# Altium PCB pin board.PcbDoc
Units mm, origin at the board's own origin, x right, y up, seen from the top; angles counter-clockwise.
Board outline 88.13 x 102.89 mm, 2 copper layers (Top Layer, Bottom Layer); 68 components, 65 nets, 304 pads, 184 vias.
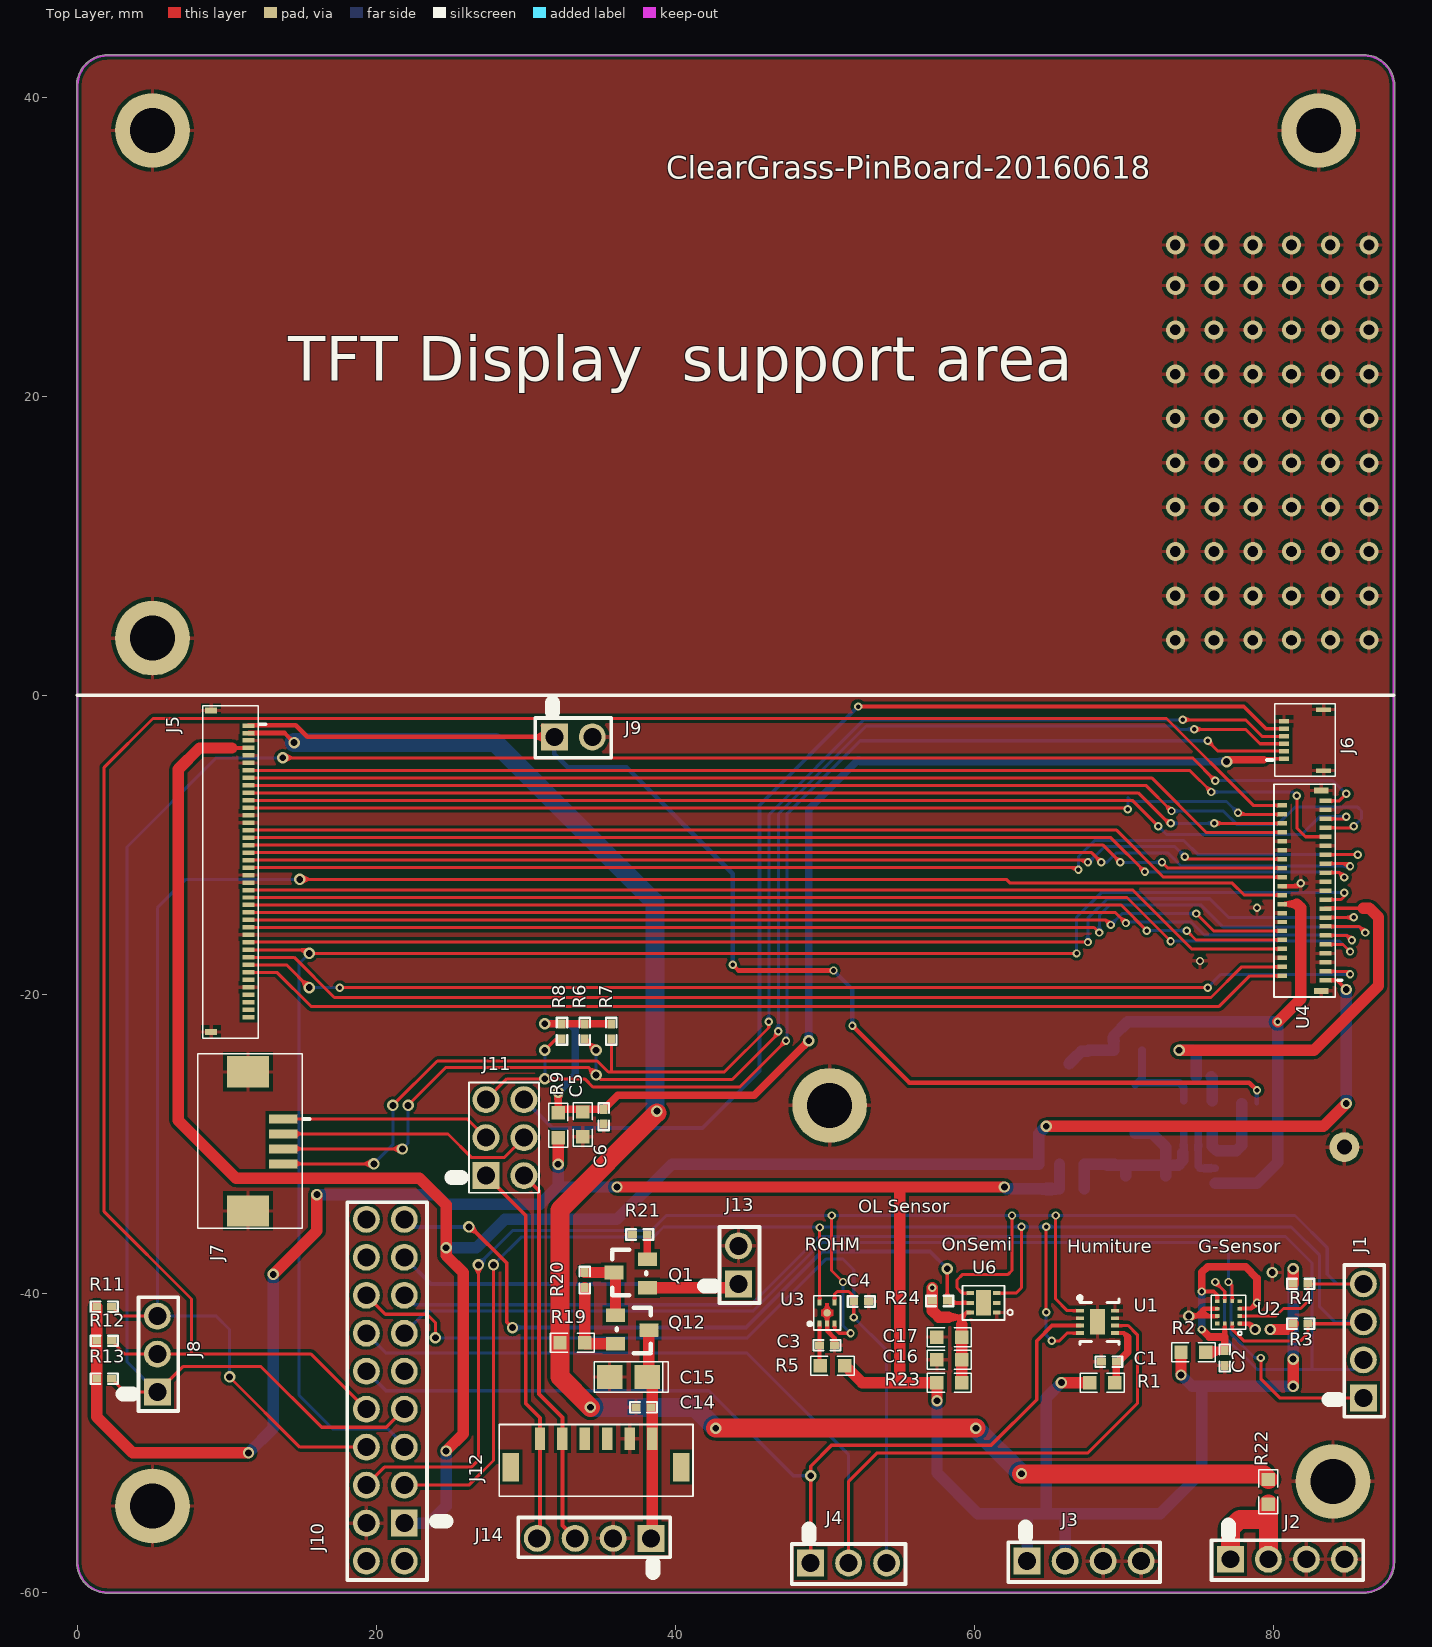
[diagram p0: Top Layer view]
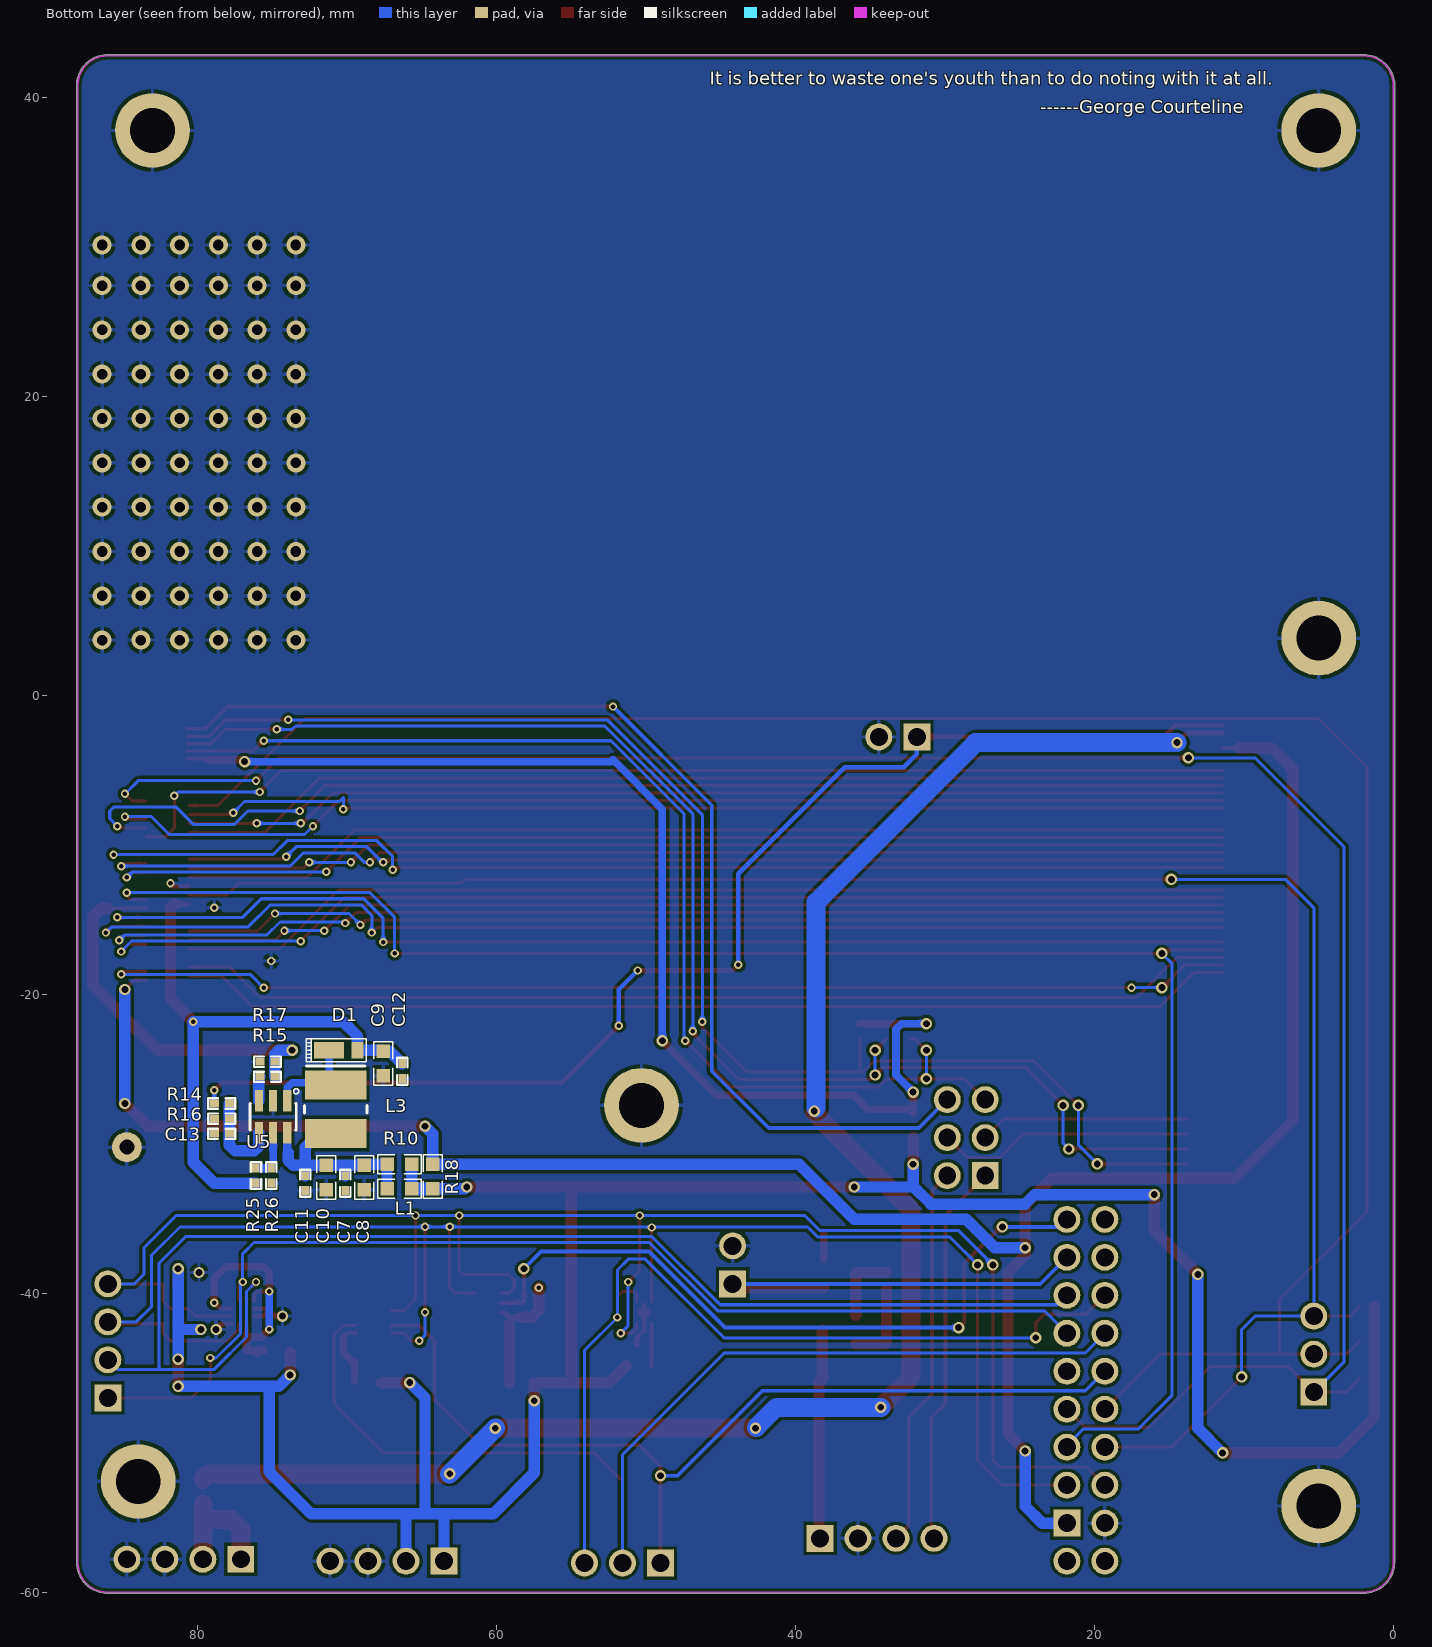
[diagram p1: Bottom Layer view, seen from below]
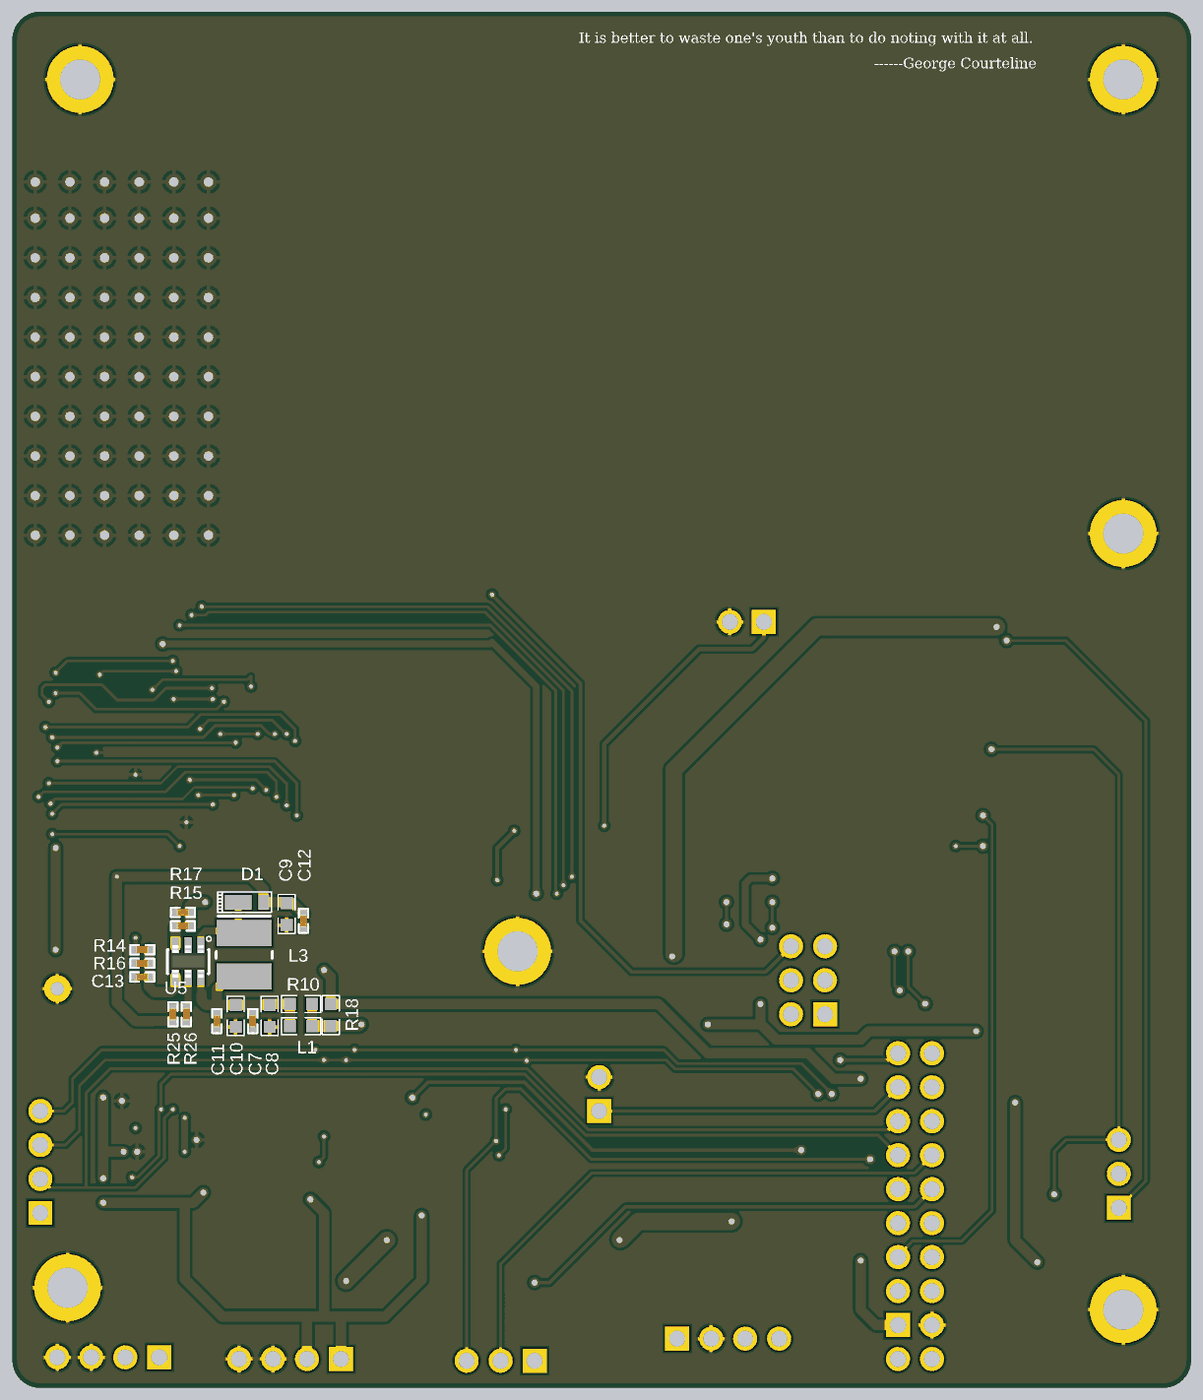
[diagram p2: 3D render of the assembled board from below, using the file's embedded part models]

## Layer stack, top to bottom
Top Solder: solder mask 0.0102, Solder Resist, Dk 3.5
Top Layer: signal copper 0.0356
Dielectric1: dielectric 0.32, FR-4, Dk 4.8
Bottom Layer: signal copper 0.0356
Bottom Solder: solder mask 0.0102, Solder Resist, Dk 3.5

## Board outline
-0.064,-58 -0.064,41 cw(c0,41) -0.045,41.045 cw(c2,40.767) 2,42.831 86,42.831 cw(c86,40.767) 88.045,41.045 cw(c88,41) 88.064,41 88.064,-58 cw(c86,-58) 86,-60.064 2,-60.064 cw(c2,-58)

## Design rules (kind name [scope] priority, off if disabled: settings)
Clearance [All] p1: gap=0.203
PolygonConnect [All] p1: connectstyle=Relief reliefconductorwidth=0.254 reliefentries=4 polygonreliefangle="90 Angle" airgapwidth=0.254
RoutingVias [All] p1: holewidth=0.711 width=1.27 viastyle="Through Hole" minholewidth=0.711 minwidth=1.27 maxholewidth=0.711 maxwidth=1.27
SilkToSolderMaskClearance SilkscreenOverComponentPads [IsPad] p1: minsilkscreentomaskgap=0.254 clearancetoexposedcopper=TRUE
SolderMaskExpansion [All] p1: expansion=0.102
Width [All] p1: maxlimit=1.27 minlimit=0.203 preferedwidth=0.254 minimp=50.000000 maximp=50.000000 favimp=50.000000
29 further rules are at their usual default settings.

## Classes and differential pairs
component class Sensor: C1 C2 C3 C4 C14 C15 C16 C17 J1 J2 J3 J4 J12 J13 J14 Q1 Q12 R1 R2 R3 R4 R5 R19 R20 R21 R22 R23 R24 U1 U2 U3 U6
component class LCD_RGB: C5 C6 C7 C8 C9 C10 C11 C12 C13 D1 J5 J6 J7 J8 J9 J10 J11 L1 L3 R6 R7 R8 R9 R10 R11 R12 R13 R14 R15 R16 R17 R18 R25 R26 U4 U5

## Components (designator, comment, footprint, x,y, rotation, side; value= is the part's Value field where it differs from the comment)
C1 "0.1uF/10V" 0402C 68.961,-44.577 r180 top
C2 "4.7uF/10V" 0402C 76.708,-44.323 r270 top
C3 "0.1uF/10V" 0402C 50.117,-43.469 r0 top
C4 "0.1uF/10V" 0402C 52.403,-40.548 r0 top
C5 "10uF" 0603C 33.782,-28.702 r90 top
C6 "0.1uF/10V" 0402C 35.179,-28.194 r90 top
C7 "0.1uF/10V" 0402C 70.104,-32.639 r270 bottom
C8 "10uF/10V" 0603C 68.834,-32.258 r270 bottom
C9 "10uF/50V" 0603C 67.564,-24.638 r270 bottom
C10 "10uF/10V" 0603C 71.374,-32.258 r90 bottom
C11 "1nF/10V" 0402C 72.771,-32.639 r90 bottom
C12 "0.1uF/10V" 0402C 66.294,-25.146 r90 bottom
C13 "1uF/10V" 0402C 78.359,-29.337 r180 bottom
C14 "0.1uF/10V" 0402C 37.846,-47.625 r180 top
C15 "22uF/6.3V" 3216 36.83,-45.593 r180 top
C16 "10uF/10V" 0603C 58.293,-44.45 r180 top
C17 "10uF/10V" 0603C 58.293,-42.926 r180 top
D1 "RTR040N03TL" TUMD2M 70.231,-23.749 r90 bottom
J1 "Jumper" 2.54*4 85.979,-43.18 r90 top
J2 "CON_VCC" 2.54*4 80.899,-57.785 r0 top
J3 "CON_VCC" 2.54*4 67.31,-57.912 r0 top
J4 "CON_UART" 2.54*3 51.562,-58.039 r0 top
J5 "LCD" FPC_CON40-BACK-IRS 11.43,-2.032 r0 top
J6 "FH19C-6S-05SH" FPC_CON6-BACK-MOLEX 82,-3 r180 top locked
J7 "TP" FPC_CON4-1MM-MOLEX 12.573,-29.845 r0 top
J8 "LCD/SPI" 2.54*3 5.334,-44.069 r90 top
J9 "CON_LCD" 2.54*2 33.147,-2.794 r0 top
J10 "Jumper*18" 2.54*18 20.574,-46.482 r90 top
J11 "Jumper" "2.54*2 *3" 27.305,-32.131 r90 top
J12 "CI1506M1HR0-NH" WTB_SIDE_6PIN 34.671,-50.673 r180 top
J13 "CON_PM2.5" 2.54*2 44.196,-38.1 r90 top
J14 "Jumper" 2.54*4 34.544,-56.388 r180 top
L1 "BLM18AG601SN1" 0603R 65.659,-33.02 r0 bottom
L3 "10uH-DCR<0.1R-1.5A/ELL4LG2R2NA" INDM4040X18N 70.739,-27.686 r90 bottom
Q1 "RK7002BMT116" SOT23 38.1,-39.624 r90 top
Q12 "RRR030P03TL" TSMT3 37.084,-42.418 r270 top
R1 "0R/1%" 0603R 67.691,-45.974 r0 top
R2 "0R/1%" 0603R 73.787,-43.942 r0 top
R3 "4.7K/1%" 0402R 81.788,-42.037 r180 top
R4 "4.7K/1%" 0402R 81.788,-39.37 r180 top
R5 "0R/1%" 0603R 49.657,-44.831 r0 top
R6 "4.7K/5%" 0402R 33.909,-22.479 r90 top
R7 "4.7K/5%" 0402R 35.687,-22.479 r90 top
R8 "4.7K/1%" 0402R 32.385,-22.479 r270 top
R9 "0R/1%" 0603R 32.131,-27.94 r270 top
R10 "0R/1%" 0603R 67.31,-31.369 r180 bottom
R11 "10K/1%" 0402R 1.778,-40.894 r0 top
R12 "10K/1%" 0402R 1.778,-43.18 r0 top
R13 "10K/1%" 0402R 1.778,-45.72 r0 top
R14 "47K/1%" 0402R 78.359,-27.305 r180 bottom
R15 "2K2/1%" 0402R 75.311,-25.527 r180 bottom
R16 "100K/1%" 0402R 78.359,-28.321 r0 bottom
R17 "2R2/1%" 0402R 75.311,-24.511 r0 bottom
R18 "0R/1%" 0603R 64.262,-31.369 r270 bottom
R19 "0R/1%" 0603R 32.258,-43.307 r0 top
R20 "549K" 0402R 33.909,-39.116 r90 top
R21 "10K" 0402R 37.592,-36.068 r0 top
R22 "0R/1%" 0603R 79.629,-52.451 r270 top
R23 "0R/1%" 0603R 59.118,-45.974 r180 top
R24 "4.7K/1%" 0402R 57.658,-40.513 r0 top
R25 "2K2/1%" 0402R 76.073,-32.131 r270 bottom
R26 "2K2/1%" 0402R 75.057,-32.131 r90 bottom
U1 "SHT31" DFN 68.199,-41.91 r270 top
U2 "DS_DA226" LGA-12 76.962,-41.275 r180 top
U3 "BH1721FVC-TR" WSOF5 50.117,-41.31 r90 top
U4 "LCD_RGB Interface" FPC_CON41-0.3MM-HRS 82,-13.07 r90 top locked
U5 "AP3032" SOT23-6-L 74.93,-28.194 r270 bottom
U6 "NOA1305-D" CUDFN6 60.579,-40.64 r90 top

## Footprints (in the part's own frame and the unit in brackets; to place one, negate y for a bottom-side part, rotate by r counter-clockwise, add the part's x,y. Pads: shape width x height; smd on the part's side, far side on the other; paste and mask are expansions set on the pad)
2.54*2 [mm]
  rect 1.8x1.8 hole 1.2: 1(-1.27,0)
  round 1.8 hole 1.2: 2(1.27,0)
  silkscreen extent -2.54,-1.4 2.54,2.29
"2.54*2 *3" [mm]
  rect 1.8x1.8 hole 1.2: 1(0,0)
  round 1.8 hole 1.2: 2(0,-2.54) 3(2.54,0) 4(2.54,-2.54) 5(5.08,0) 6(5.08,-2.54)
  silkscreen extent -1.14,-3.56 6.22,2.29
2.54*3 [mm]
  rect 1.8x1.8 hole 1.2: 1(-2.54,0)
  round 1.8 hole 1.2: 2(0,0) 3(2.54,0)
  silkscreen extent -3.81,-1.4 3.81,2.29
2.54*4 [mm]
  rect 1.8x1.8 hole 1.2: 1(-3.81,0)
  round 1.8 hole 1.2: 2(-1.27,0) 3(1.27,0) 4(3.81,0)
  silkscreen extent -5.08,-1.4 5.08,2.29
2.54*18 [mm]
  rect 1.8x1.8 hole 1.2: 1(-8.89,-1.27)
  round 1.8 hole 1.2: 2(-8.89,1.27) 3(-6.35,-1.27) 4(-6.35,1.27) 5(-3.81,-1.27) 6(-3.81,1.27) 7(-1.27,-1.27) 8(-1.27,1.27) 9(1.27,-1.27) 10(1.27,1.27) 11(3.81,-1.27) 12(3.81,1.27) 13(6.35,-1.27) 14(6.35,1.27) 15(8.89,-1.27) 16(8.89,1.27) 17(11.43,-1.27) 18(11.43,1.27) 19(-11.43,-1.27) 20(-11.43,1.27)
  silkscreen extent -12.7,-4.06 12.57,2.54
0402C [mm]
  rect 0.6x0.5 smd: 1(-0.5,0) 2(0.5,0)
  silkscreen extent -0.9,-0.35 0.9,0.35, body extent -0.51,-0.25 0.51,0.25, height 0.5
0402R [mm]
  rect 0.6x0.5 smd: 1(-0.5,0) 2(0.5,0)
  silkscreen extent -0.9,-0.35 0.9,0.35, body extent -0.51,-0.25 0.51,0.25, height 0.5
0603C [mm]
  rect 0.9x0.9 smd: 1(-0.826,0) 2(0.826,0)
  silkscreen extent -1.46,-0.64 1.46,0.64, body extent -1.38,-0.55 1.38,0.55, height 0.9
0603R [mm]
  rect 0.9x0.9 smd: 1(0,0) 2(1.651,0)
  silkscreen extent -0.64,-0.64 2.29,0.64, body extent -0.55,-0.55 2.2,0.55, height 0.5
3216 [mm]
  rect 1.7x1.6 smd: 1(-1.256,0) 2(1.256,0)
  silkscreen extent -2.67,-1.02 2.29,1.02, body extent -1.72,-0.85 1.72,0.85, height 1.8
CUDFN6 [mm]
  rect 0.28x0.52 smd: 1(-0.65,-0.89) 2(0,-0.89) 3(0.65,-0.89) 4(0.65,0.89) 5(0,0.89) 6(-0.65,0.89)
  rect 1.7x1 smd: 7(0,0)
  silkscreen extent -1.14,-1.96 1.14,1.4
DFN [mm]
  rect 0.25x0.55 smd: 1(-0.75,-1.175) 2(-0.25,-1.175) 3(0.25,-1.175) 4(0.75,-1.175) 5(0.75,1.175) 6(0.25,1.175) 7(-0.25,1.175) 8(-0.75,1.175)
  rect 1.7x1 smd: 9(0,0)
  silkscreen extent -1.72,-1.3 1.53,1.43, body extent -1.48,-1.55 1.51,1.55, height 1
FPC_CON4-1MM-MOLEX [mm] "厂家：Molex"
  rect 1.9x0.6 smd: 1(1.175,1.5) 2(1.175,0.5) 3(1.175,-0.5) 4(1.175,-1.5)
  rect 2.8x2.1 smd: 5(-1.175,4.65) 6(-1.175,-4.65)
  silkscreen extent -4.55,-5.82 2.95,5.87
FPC_CON6-BACK-MOLEX [mm] "厂家?"
  rect 0.7x0.3 smd: 1(1.325,1.25) 2(1.325,0.75) 3(1.325,0.25) 4(1.325,-0.25) 5(1.325,-0.75) 6(1.325,-1.25)
  rect 1x0.3 smd: 7(-1.325,2.04) 8(-1.325,-2.04)
  silkscreen extent -2.1,-2.41 2.47,2.41, body extent -1.93,-2.29 1.78,2.29, height 1
FPC_CON40-BACK-IRS [mm]
  rect 0.8x0.3 smd: 1(0,0) 2(0,-0.5) 3(0,-1) 4(0,-1.5) 5(0,-2) 6(0,-2.5) 7(0,-3) 8(0,-3.5) 9(0,-4) 10(0,-4.5) 11(0,-5) 12(0,-5.5) 13(0,-6) 14(0,-6.5) 15(0,-7) 16(0,-7.5) 17(0,-8) 18(0,-8.5) 19(0,-9) 20(0,-9.5) 21(0,-10) 22(0,-10.5) 23(0,-11) 24(0,-11.5) 25(0,-12) 26(0,-12.5) 27(0,-13) 28(0,-13.5) 29(0,-14) 30(0,-14.5) 31(0,-15) 32(0,-15.5) 33(0,-16) 34(0,-16.5) 35(0,-17) 36(0,-17.5) 37(0,-18) 38(0,-18.5) 39(0,-19) 40(0,-19.5)
  rect 0.8x0.4 smd: 41(-2.5,1) 42(-2.5,-20.5)
  silkscreen extent -3.05,-20.9 1.14,1.33
FPC_CON41-0.3MM-HRS [mm] "厂家?"
  rect 0.3x0.8 smd: 1(-6,-1.438) 3(-5.4,-1.438) 5(-4.8,-1.438) 7(-4.2,-1.438) 9(-3.6,-1.438) 11(-3,-1.438) 13(-2.4,-1.438) 15(-1.8,-1.438) 17(-1.2,-1.438) 19(-0.6,-1.438) 21(0,-1.438) 23(0.6,-1.438) 25(1.2,-1.438) 27(1.8,-1.438) 29(2.4,-1.438) 31(3,-1.438) 33(3.6,-1.438) 35(4.2,-1.438) 37(4.8,-1.438) 39(5.4,-1.438) 41(6,-1.438)
  rect 0.3x0.65 smd: 2(-5.7,1.438) 4(-5.1,1.438) 6(-4.5,1.438) 8(-3.9,1.438) 10(-3.3,1.438) 12(-2.7,1.438) 14(-2.1,1.438) 16(-1.5,1.438) 18(-0.9,1.438) 20(-0.3,1.438) 22(0.3,1.438) 24(0.9,1.438) 26(1.5,1.438) 28(2.1,1.438) 30(2.7,1.438) 32(3.3,1.438) 34(3.9,1.438) 36(4.5,1.438) 38(5.1,1.438) 40(5.7,1.438)
  rect 0.4x0.95 smd: 42(-6.7,-1.162) 43(6.7,-1.162)
  silkscreen extent -7.11,-2.54 7.11,2
INDM4040X18N [mm] "Molded Inductor, 2-Leads, Body 4.0x4.0mm, IPC Medium Density"
  rect 1.95x4.1 smd: 1(-1.625,0) 2(1.625,0)
  silkscreen extent -0.25,-2.1 2.9,2.1, body extent -2.1,-2.1 2.1,2.1, height 1.8
LGA-12 [mm]
  rect 0.275x0.25 smd: 1(-0.75,0.75) 2(-0.75,0.25) 3(-0.75,-0.25) 4(-0.75,-0.75) 7(0.75,-0.75) 8(0.75,-0.25) 9(0.75,0.25) 10(0.75,0.75)
  rect 0.25x0.275 smd: 5(-0.25,-0.75) 6(0.25,-0.75) 11(0.25,0.75) 12(-0.25,0.75)
  silkscreen extent -1.14,-1.14 1.14,1.52
SOT23 [mil]
  rect 36x50 smd: 1(75,0) 2(0,0) 3(40,88)
  silkscreen extent -20,3 100,93, body extent -22,-29 97,117, height 37
SOT23-6-L [mm]
  rect 1.45x0.55 smd: 1(-1.075,0.95) 2(-1.075,0) 3(-1.075,-0.95) 4(1.075,-0.95) 5(1.075,0) 6(1.075,0.95)
  silkscreen extent -1.88,-1.55 0.9,1.72, body extent -1.23,-1.4 1.19,1.4, height 1.08
TSMT3 [mil]
  rect 36x50 smd: 1(-37.5,-44) 2(37.5,-44) 3(2.5,44)
  silkscreen extent -58,-41 62,49, body extent -60,-73 60,73, height 39
TUMD2M [mm] "厂家"
  rect 1.1x2 smd: 1(0,0.95)
  rect 1.1x0.8 smd: 2(0,-0.95)
  silkscreen extent -0.76,-1.52 0.76,2.49
WSOF5 [mm]
  rect 0.4x0.28 smd: 1(-0.7,0.5) 2(-0.7,0) 3(-0.7,-0.5) 4(0.7,-0.5) 5(0.7,0.5)
  round 0.5 smd: 2(0,0)
  Top Layer region: -0.455,0.15 -0.33,0.183 -0.238,0.275 -0.205,0.4 -0.205,0.4 0.205,0.4 0.205,0.4 0.238,0.275 0.33,0.183 0.455,0.15 0.455,0.15 0.455,0.11 0.65,0.11 0.65,-0.11 0.455,-0.11 0.455,-0.15 0.33,-0.183 0.238,-0.275 0.205,-0.4 0.205,-0.4 -0.205,-0.4 -0.238,-0.275 -0.33,-0.183 -0.455,-0.15 -0.455,-0.15 -0.455,-0.11 -0.85,-0.11 -0.85,0.11 -0.455,0.11
  silkscreen extent -1.14,-0.89 1.14,1.25, body extent -1,-0.74 1,0.74, height 0.6
WTB_SIDE_6PIN [mm]
  rect 0.7x1.5 smd: 1(-3.75,-0.953) 2(-2.25,-0.953) 3(-0.75,-0.953) 4(0.75,-0.952) 5(2.25,-0.952) 6(3.75,-0.952)
  rect 1.1x1.9 smd: 7(-5.7,0.952) 8(5.7,0.953)
  silkscreen extent -6.48,-1.91 6.48,2.9

## Part data
C1 C2: library part CAP, "厂家：Murata，型号：GRM155R71A104KA01D"
C3 C4 C9 C12 C14 C16 C17: library part CAP, "厂家：Murata，型号："
C5: library part CAP, "厂家：Murata，型号：GRM1555C1H120JA01D"
C6 C10 C11 C13: library part CAP, "Capacitor"
C7: library part Cap, "Capacitor"
C8: library part "Cap Pol1", "Polarized Capacitor (Radial)"
C15: library part Cap, "厂家：ROHM，型号：TAJC227K010RNJ"
D1: library part "D Schottky", "Schottky Diode"
J1: library part Jumper*4
J5: library part FPC60_1
J6: "ZIF connector placed bottom side"
J7: library part Jumper_uart, "Jumper"
J8: library part Jumper, "Jumper"
J11: library part Jumper_uart
J12: library part CI15, "厂家：瀚荃股份，型号：CI1506M1HR0-NH"
J14: library part Jumper*4*PM25
L1: library part CHOKE, "厂家：MURATA，型号：BLM18AG601SN1"
L3: library part Inductor, "Inductor"
Q1: library part RK7002, "厂家：ROHM，型号：RK7002BMT116"
Q12: library part PMOS, "厂家：ROHM，型号：RRR030P03TL"
R1 R2 R3 R4 R5 R23 R24: library part RES1, "厂家：Yageo，型号：RC0402FR-0710KL"
R6 R7 R8 R11 R12 R13: library part Res1, "厂家：Yageo，型号："
R9 R10 R18 R19 R22: library part RES1, "厂家：Yageo，型号：RC0402FR-070RL"
R14 R15 R16 R17 R25 R26: library part Res1, "Resistor"
R20 R21: library part RES1
U1: "厂家：盛思睿，型号：SHT31"
U2: library part LI, "厂家：ST，型号：LIS2DH12"

## Free pads (board coordinates)
  round 5 hole 3: 0(5,-54.229) 0(5,3.81) 0(5,37.767) 0(50.292,-27.432) 0(83,37.767) 0(83.947,-52.578)
  round 2 hole 1: 0(84.709,-30.226)

## Via types
v1: diameter 0.559, hole 0.305, Top Layer to Bottom Layer, tented both sides, 72 vias
v2: diameter 1.27, hole 0.711, Top Layer to Bottom Layer, tented both sides, 60 vias
v3: diameter 0.762, hole 0.457, Top Layer to Bottom Layer, tented both sides, 52 vias

## Nets (pads, with @x,y where several pads share a name; then routed paths per layer and width w, separated by ;. In a path a pad name is that pad's centre, name@x,y a point inside that pad or via, vN(x,y) a via of type N, cw(c..) or ccw(c..) an arc to the next point about the centre after c; other vN are vias at no path point)
+3.3V: J3.1 J3.2 L1.1 R1.1 R2.1 R3.2 R4.2 R5.2 R9.2 R10.2 R11.1 R12.1 R13.1 R18.2 R23.2 | length 182.8
  Top Layer w0.762: R11.1 R12.1 R13.1 1.278,-48.268 3.683,-50.673 v3(11.43,-50.673) ; v3(13.081,-38.735) 16.002,-35.814 v3(16.002,-33.401) ; v3(32.131,-31.369) R9.2 ; v3(36.068,-32.893) 54.991,-32.893 ; R5.2 52.451,-45.974 54.991,-45.974 ; v3(57.468,-47.18) R23.2 54.991,-45.974 ; v3(61.976,-32.893) 54.991,-32.893 ; v3(65.786,-45.974) R1.1 ; v3(73.787,-45.466) R2.1 ; v3(79.756,-42.418) 80.907,-42.418 R3.2 ; v3(81.28,-46.228) v3(81.28,-44.399) ; R4.2 v3@81.288,-38.362 ; 54.991,-45.974 54.991,-32.893
  Bottom Layer w0.762: v3(11.43,-50.673) 13.081,-49.022 v3(13.081,-38.735) ; v3(16.002,-33.401) 24.003,-33.401 24.638,-34.036 30.937,-34.036 32.131,-32.842 v3(32.131,-31.369) ; 32.182,-32.893 v3(36.068,-32.893) ; v3(57.468,-47.18) 57.468,-52.006 60.198,-54.737 63.5,-54.737 ; v3(61.976,-32.893) 62.103,-33.02 R18.2 L1.1 R10.2 ; J3.1 63.5,-54.737 ; 64.77,-54.356 64.77,-46.99 v3(65.786,-45.974) ; J3.2 66.04,-54.737 ; v3(73.787,-45.466) 74.549,-46.228 v3(81.28,-46.228) ; 75.184,-46.355 75.184,-51.943 72.39,-54.737 66.04,-54.737 ; v3(79.756,-42.418) 81.28,-42.418 ; v3(81.28,-44.399) 81.28,-42.418 ; v3(81.28,-38.354) 81.28,-42.418 ; 63.5,-54.737 66.04,-54.737
ALERT: J4.1 J10.10 U1.3 | length 63.3
  Top Layer w0.254: J4.1 v3(49.022,-52.197) 49.022,-51.562 50.419,-50.165 61.087,-50.165 64.135,-47.117 64.135,-43.18 65.155,-42.16 U1.3
  Bottom Layer w0.254: J10.10 20.614,-46.522 42.204,-46.522 47.879,-52.197 v3(49.022,-52.197)
B_5V: J2.1 J2.2 R22.2 | length 8.5
  Top Layer w1.27: J2.1 77.089,-55.753 77.724,-55.118 79.629,-55.118 ; J2.2 79.629,-55.118 ; R22.2 79.629,-55.118
BLVDD: C7.1 C8.1 C10.2 C11.2 L1.2 L3.1 R10.1 U5.6 | length 16.4
  Bottom Layer w0.508: 73.914,-31.115 73.98,-31.049 U5.6
  Bottom Layer w0.762: L1.2 R10.1 69.334,-31.369 69.397,-31.432 ; C8.1 69.397,-31.432 ; C7.1 70.104,-31.433 ; L3.1 71.856,-29.311 72.771,-30.226 72.771,-31.432 ; C11.2 72.771,-31.432 ; 73.914,-30.607 73.914,-31.115 73.596,-31.432 72.771,-31.432 ; 69.397,-31.432 C10.2 72.771,-31.432
G-INT1: J1.1 J10.11 U2.5 | length 76.2
  Top Layer w0.203: v1(76.962,-39.243) 77.212,-39.493 U2.5 ; v1(79.121,-44.323) 79.121,-45.72 80.391,-46.99 J1.1
  Bottom Layer w0.203: J10.11 23.343,-41.173 45.198,-41.173 49.77,-36.601 76.2,-36.601 76.962,-37.363 v1(76.962,-39.243) 77.114,-39.395 77.114,-42.697 78.74,-44.323 v1(79.121,-44.323)
G-INT2: J1.2 J10.13 U2.6 | length 86.6
  Top Layer w0.203: v1(76.073,-39.243) 76.712,-39.882 U2.6
  Bottom Layer w0.203: J10.13 22.479,-40.767 45.03,-40.767 49.602,-36.195 78.867,-36.195 80.772,-36.195 82.55,-37.973 82.55,-45.085 ; v1(76.073,-39.243) 76.708,-39.878 76.708,-42.926 78.867,-45.085 82.55,-45.085 ; J1.2 85.344,-45.085 82.55,-45.085
G-VDD: C2.1 R2.2 U2.3 U2.7 U2.11 | length 17.1
  Top Layer w0.254: v1(75.184,-39.878) 75.971,-39.878 76.212,-40.119 U2.7 ; 76.712,-42.922 U2.11 ; U2.3 78.482,-41.025 v1(78.867,-40.64)
  Top Layer w0.508: v1(75.184,-42.418) 75.688,-42.922 76.712,-42.922 ; v1(75.184,-39.878) 75.184,-38.608 75.565,-38.227 78.105,-38.227 78.867,-38.989 v1(78.867,-40.64) ; R2.2@75.557,-43.823 C2.1 76.708,-42.926
  Bottom Layer w0.508: v1(75.184,-42.418) v1(75.184,-39.878)
GND: C1.2 C2.2 C3.2 C4.2 C5.1 C6.1 C7.2 C8.2 C9.2 C10.1 C11.1 C12.1 C13.1 C14.2 C15.2 C16.2 C17.2 J2.3 J2.4 J3.3 J3.4 J5.3 J5.5 J5.6 J5.13 J5.14 J5.21 J5.22 J5.29 J5.36 J5.41 J5.42 J6.6 J6.7 J6.8 J7.5 J7.6 J9.2 J10.2 J12.2 J13.2 J14.2 pad.0 R16.2 R17.2 R21.1 R26.1 U1.2 U1.7 U1.8 U1.9 U2.1 U2.8 U2.9 U3.2 U4.5 U4.6 U4.7 U4.14 U4.16 U4.21 U4.22 U4.23 U4.30 U4.31 U4.32 U4.39 U4.42 U4.43 U5.2 U6.1 | length 8.2
  Top Layer w0.305: 50.117,-42.508 50.117,-42.009 U3.2@50.117,-41.309 ; 50.125,-42.516 50.617,-43.008 C3.2 ; v3(74.299,-41.525) 75.184,-41.525 ; U2.9 75.184,-41.525 ; U2.8 75.307,-41.025 75.184,-41.148 75.184,-41.525 ; U2.1 78.347,-42.025 v3(78.74,-42.418) ; U4.22 81.591,-12.77 v1(81.788,-12.573)
  other v1: 75.057,-17.78 78.867,-14.224
  other v2: 73.406,3.683 75.997,3.683 78.588,3.683 81.178,3.683 83.769,3.683 86.36,3.683 73.406,6.646 75.997,6.646 78.588,6.646 81.178,6.646 83.769,6.646 86.36,6.646 73.406,9.61 75.997,9.61 78.588,9.61 81.178,9.61 83.769,9.61 86.36,9.61 73.406,12.573 75.997,12.573 78.588,12.573 81.178,12.573 83.769,12.573 86.36,12.573 73.406,15.536 75.997,15.536 78.588,15.536 81.178,15.536 83.769,15.536 86.36,15.536 73.406,18.5 75.997,18.5 78.588,18.5 81.178,18.5 83.769,18.5 86.36,18.5 73.406,21.463 75.997,21.463 78.588,21.463 81.178,21.463 83.769,21.463 86.36,21.463 73.406,24.426 75.997,24.426 78.588,24.426 81.178,24.426 83.769,24.426 86.36,24.426 73.406,27.39 75.997,27.39 78.588,27.39 81.178,27.39 83.769,27.39 86.36,27.39 73.406,30.099 75.997,30.099 78.588,30.099 81.178,30.099 83.769,30.099 86.36,30.099
  other v3: 79.883,-38.608
LCD_B2: J5.23 U4.8 | length 70.8
  Top Layer w0.203: J5.23 70.563,-13.032 74.501,-16.97 U4.8
LCD_B3: J5.24 U4.9 | length 77
  Top Layer w0.203: J5.24 70.174,-13.532 v1(73.088,-16.447) ; U4.9 84.615,-16.67 v1(85.09,-17.145)
  Bottom Layer w0.203: v1(73.088,-16.447) 84.391,-16.447 v1(85.09,-17.145)
LCD_B4: J5.25 U4.10 | length 70.1
  Top Layer w0.203: J5.25 69.785,-14.032 v1(71.501,-15.748) ; v1(74.168,-15.748) 74.79,-16.37 U4.10
  Bottom Layer w0.203: v1(71.501,-15.748) v1(74.168,-15.748)
LCD_B5: J5.26 U4.11 | length 76.5
  Top Layer w0.203: J5.26 69.396,-14.532 v1(70.104,-15.24) ; U4.11 84.904,-16.07 v1(85.217,-16.383)
  Bottom Layer w0.203: v1(70.104,-15.24) 70.18,-15.164 74.473,-15.164 75.349,-16.04 84.874,-16.04 v1(85.217,-16.383)
LCD_B6: J5.27 U4.12 | length 70.1
  Top Layer w0.203: J5.27 68.753,-15.032 v1(69.088,-15.367) ; v1(74.803,-14.605) 75.968,-15.77 U4.12
  Bottom Layer w0.203: v1(69.088,-15.367) 69.85,-14.605 v1(74.803,-14.605)
LCD_B7: J5.28 U4.13 | length 79.9
  Top Layer w0.203: J5.28 67.983,-15.532 v1(68.326,-15.875) ; U4.13 85.701,-15.47 v1(86.106,-15.875)
  Bottom Layer w0.203: v1(68.326,-15.875) 68.326,-14.732 69.037,-14.021 75.108,-14.021 76.581,-15.494 85.725,-15.494 v1(86.106,-15.875)
LCD_BL_EN: J5.1 J9.1 R14.1 | length 85.2
  Top Layer w0.305: J5.1@11.43,-2.024 14.597,-2.024 15.367,-2.794 J9.1 J9.1@31.115,-2.032 ; v1(43.815,-18.034) 44.196,-18.415 v1(50.546,-18.415) ; v1(51.816,-22.098) 55.626,-25.908 78.359,-25.908 v1(78.867,-26.416)
  Bottom Layer w0.305: J9.1 31.877,-3.937 32.766,-4.826 36.703,-4.826 43.815,-11.938 v1(43.815,-18.034) ; v1(50.546,-18.415) 51.816,-19.685 v1(51.816,-22.098) ; R14.1 v1@78.859,-26.416
LCD_DE: J5.34 U4.2 | length 70.9
  Top Layer w0.203: J5.34 13.325,-18.532 15.606,-20.813 76.342,-20.813 78.385,-18.77 U4.2
LCD_G2: J5.15 U4.24 | length 70.4
  Top Layer w0.203: J5.15 69.484,-9.032 72.622,-12.17 U4.24
LCD_G3: J5.16 U4.25 | length 75.8
  Top Layer w0.203: J5.16 69.095,-9.532 v1(71.374,-11.811) ; U4.25 84.387,-11.87 v1(84.709,-12.192)
  Bottom Layer w0.203: v1(71.374,-11.811) 71.399,-11.836 84.353,-11.836 v1(84.709,-12.192)
LCD_G4: J5.17 U4.26 | length 69.8
  Top Layer w0.203: J5.17 68.579,-10.032 v1(69.723,-11.176) ; v1(72.517,-11.176) 72.911,-11.57 U4.26
  Bottom Layer w0.203: v1(69.723,-11.176) v1(72.517,-11.176)
LCD_G5: J5.18 U4.27 | length 76.3
  Top Layer w0.203: J5.18 67.809,-10.532 v1(68.453,-11.176) ; U4.27 84.93,-11.27 v1(85.09,-11.43)
  Bottom Layer w0.203: v1(68.453,-11.176) 68.834,-11.176 69.469,-10.541 72.898,-10.541 73.787,-11.43 v1(85.09,-11.43)
LCD_G6: J5.19 U4.28 | length 70
  Top Layer w0.203: J5.19 67.42,-11.032 v1(67.564,-11.176) ; v1(74.041,-10.795) 74.216,-10.97 U4.28
  Bottom Layer w0.203: v1(67.564,-11.176) 67.627,-11.176 68.668,-10.135 73.381,-10.135 v1(74.041,-10.795)
LCD_G7: J5.20 U4.29 | length 78.1
  Top Layer w0.203: J5.20 66.777,-11.532 v1(66.929,-11.684) ; U4.29 v1@85.596,-10.67
  Bottom Layer w0.203: v1(66.929,-11.684) 66.929,-10.795 67.996,-9.728 73.99,-9.728 74.93,-10.668 v1(85.598,-10.668)
LCD_HS: J5.32 U4.4 | length 71.1
  Top Layer w0.203: J5.32 14.484,-17.532 17.165,-20.213 75.799,-20.213 77.842,-18.17 U4.4
LCD_PCLK: J5.30 U4.15 | length 78.5
  Top Layer w0.203: J5.30 11.452,-16.51 v1(67.564,-16.51) ; U4.15 v1@85.333,-14.87
  Bottom Layer w0.203: v1(67.564,-16.51) 67.564,-14.859 67.624,-14.859 68.869,-13.614 75.717,-13.614 76.962,-14.859 v1(85.344,-14.859)
LCD_R2: J5.7 U4.33 | length 75.1
  Top Layer w0.203: J5.7 74.374,-5.032 v1(75.819,-6.477) ; v1(81.534,-6.731) 81.534,-8.89 82.114,-9.47 U4.33
  Bottom Layer w0.203: v1(75.819,-6.477) 81.28,-6.477 v1(81.534,-6.731)
LCD_R3: J5.8 U4.34 | length 70.6
  Top Layer w0.203: J5.8 71.826,-5.532 75.464,-9.17 U4.34
LCD_R4: J5.9 U4.35 | length 79.1
  Top Layer w0.203: J5.9 71.437,-6.032 v1(73.152,-7.747) ; U4.35 v1@85.237,-8.87
  Bottom Layer w0.203: v1(73.152,-7.747) 76.62,-7.747 77.509,-8.636 80.264,-8.636 81.407,-7.493 85.598,-7.493 85.852,-7.747 85.852,-8.255 v1(85.344,-8.763)
LCD_R5: J5.10 U4.36 | length 70
  Top Layer w0.203: J5.10 70.921,-6.532 72.959,-8.57 v1(73.091,-8.57) ; v1(76.012,-8.57) U4.36
  Bottom Layer w0.203: v1(73.091,-8.57) v1(76.012,-8.57)
LCD_R6: J5.11 U4.37 | length 76.3
  Top Layer w0.203: J5.11 70.532,-7.032 v1(72.263,-8.763) ; U4.37 84.694,-8.27 v1(84.836,-8.128)
  Bottom Layer w0.203: v1(72.263,-8.763) 72.822,-9.322 81.864,-9.322 83.058,-8.128 v1(84.836,-8.128)
LCD_R7: J5.12 U4.38 | length 70.1
  Top Layer w0.203: J5.12 v1@70.143,-7.532 ; v1@77.693,-7.97 U4.38
  Bottom Layer w0.203: v1(70.231,-7.62) 70.231,-6.858 70.485,-7.112 76.835,-7.112 v1(77.597,-7.874)
LCD_RESET: J5.31 J10.5 U4.19 | length 116.5
  Top Layer w0.203: J5.31 15.254,-17.032 v3(15.494,-17.272) v1(66.802,-17.272) ; U4.19 84.501,-13.67 84.709,-13.462 v1(84.709,-13.208)
  Bottom Layer w0.203: v3(15.494,-17.272) 14.808,-17.958 14.808,-46.812 17.083,-49.087 20.766,-49.087 21.844,-50.165 J10.5 ; v1(66.802,-17.272) 66.802,-14.859 68.453,-13.208 v1(84.709,-13.208)
LCD_SPI1_CLK: J8.2 J10.8 R12.2 U4.40 | length 143.1
  Top Layer w0.203: R12.2 3.167,-44.069 J8.2 7.62,-44.069 ; J10.8 15.621,-44.069 7.62,-44.069 ; U4.40 78.617,-7.37 72.814,-1.567 5.037,-1.567 1.778,-4.826 1.778,-34.544 7.62,-40.386 7.62,-44.069
LCD_SPI1_CS: J8.1 J10.7 R13.2 U4.41 | length 146.8
  Top Layer w0.203: R13.2 3.167,-46.609 J8.1 7.036,-44.907 12.268,-44.907 16.318,-48.957 20.639,-48.957 J10.7 ; v3(13.716,-4.191) 74.549,-4.191 v1(76.073,-5.715) ; U4.41 84.37,-7.07 v1(84.836,-6.604)
  Bottom Layer w0.203: J8.1@5.396,-46.547 J8.1 3.302,-44.577 3.302,-10.16 9.271,-4.191 v3(13.716,-4.191) ; v1(76.073,-5.715) 83.947,-5.715 v1(84.836,-6.604)
LCD_SPI1_MOSI: J8.3 J10.6 R11.2 U4.20 | length 126.5
  Top Layer w0.203: R11.2 2.913,-41.529 J8.3 ; v3(10.16,-45.593) 14.859,-50.292 J10.6 ; v3(14.859,-12.319) 62.103,-12.319 62.36,-12.576 77.219,-12.576 78.013,-13.37 U4.20
  Bottom Layer w0.203: v3(10.16,-45.593) 10.16,-42.418 9.271,-41.529 J8.3 5.334,-14.224 7.239,-12.319 v3(14.859,-12.319)
LCD_VS: J5.33 U4.3 | length 76.4
  Top Layer w0.203: J5.33 13.968,-18.032 v3(15.494,-19.558) ; v1(17.526,-19.558) v1(75.565,-19.558) ; U4.3 84.891,-18.47 v1(85.09,-18.669)
  Bottom Layer w0.203: v3(15.494,-19.558) v1(17.526,-19.558) ; v1(75.565,-19.558) 76.454,-18.669 v1(85.09,-18.669)
LED+: C9.1 C12.2 D1.2 R25.2 U4.18 | length 39.4
  Top Layer w0.254: U4.18 81.534,-13.97
  Top Layer w0.762: v1(80.264,-21.844) 81.788,-20.32 81.788,-14.224 81.534,-13.97
  Bottom Layer w0.305: C9.1 C9.1@67.627,-23.749
  Bottom Layer w0.762: C12.2 67.128,-23.812 C9.1 ; C9.1@67.627,-23.749 D1.2 69.281,-22.794 70.231,-21.844 v1(80.264,-21.844) 80.264,-31.242 78.867,-32.639 77.47,-32.639 ; R25.2 77.462,-32.631
LED-: R15.2 R17.1 U4.17 | length 26.3
  Top Layer w0.254: U4.17 83.458,-14.249 85.979,-14.249
  Top Layer w0.762: v3(73.66,-23.749) 82.677,-23.749 86.995,-19.431 86.995,-14.859 86.385,-14.249 85.979,-14.249
  Bottom Layer w0.762: v3(73.66,-23.749) 74.549,-23.749 74.811,-24.011 R15.2
NetC1_1: C1.1 R1.2 U1.5 | length 4.3
  Top Layer w0.254: U1.5 69.965,-42.66 70.231,-42.926
  Top Layer w0.508: R1.2@69.461,-45.855 C1.1 69.596,-44.577 70.231,-43.942 70.231,-42.926
NetC13_2: C13.2 R14.2 R16.1 U5.4 | length 5.9
  Bottom Layer w0.762: U5.4 75.88,-30.16 76.2,-30.48 77.47,-30.48 77.859,-30.091 C13.2 R14.2
NetD1_1: D1.1 L3.2 U5.1 | length 6.6
  Bottom Layer w0.508: L3.2 L3.2@70.892,-25.908 ; D1.1 71.181,-25.619 L3.2@70.892,-25.908 ; U5.1 73.98,-26.228 73.66,-25.908 L3.2@70.892,-25.908
NetQ1_1: Q1.1 R21.2 | length 1.7
  Top Layer w0.508: R21.2 38.092,-37.711 Q1.1
NetQ1_3: Q1.3 Q12.1 R20.2 | length 4.7
  Top Layer w0.762: R20.2@33.917,-38.608 Q1.3 ; Q12.1 Q1.3@35.966,-38.71
NetQ12_2: Q12.2 R19.2 R20.1 | length 5.7
  Top Layer w0.762: R19.2 R20.1 ; R19.2@33.972,-43.37 Q12.2
NetR15_1: R15.1 U5.3 | length 1.6
  Bottom Layer w0.762: R15.1 75.88,-25.596 U5.3
NetR25_1: R25.1 R26.2 U5.5 | length 3.4
  Bottom Layer w0.508: U5.5 74.93,-31.504 R26.2 R25.1
NRESET: J4.2 J10.12 U1.6 | length 76.1
  Top Layer w0.203: J4.2 51.562,-52.578 53.467,-50.673 67.564,-50.673 70.866,-47.371 70.866,-42.771 70.255,-42.16 U1.6
  Bottom Layer w0.203: J10.12 20.639,-44.007 44.769,-44.007 51.562,-50.8 J4.2
OL_INT: J10.17 R24.2 U6.5 | length 46.9
  Top Layer w0.254: v3(26.162,-35.56) 26.279,-35.56 28.702,-37.983 28.702,-41.91 v3(29.083,-42.291) ; R24.2 v3(58.158,-38.362) ; R24.2@58.285,-40.64 U6.5
  Bottom Layer w0.254: J10.17@22.352,-35.56 v3(26.162,-35.56) ; v3@29.21,-42.291 44.704,-42.291 49.784,-37.211 57.007,-37.211 v3(58.158,-38.362)
OL_RESET: C4.1 J4.3 J10.14 U3.4 | length 60.8
  Top Layer w0.203: J10.14 20.574,-41.402 23.368,-41.402 23.927,-41.961 v3(23.927,-42.977) ; U3.4 50.617,-40.061 50.8,-39.878 51.562,-39.878 51.903,-40.219 C4.1 v1(51.903,-41.616)
  Bottom Layer w0.203: v3(23.927,-42.977) 44.78,-42.977 50.038,-37.719 51.181,-37.719 51.903,-38.441 v1(51.903,-41.616) 54.102,-43.815 J4.3
OL_VCC: C3.1 R5.1 U3.1 | length 2.8
  Top Layer w0.254: R5.1@49.617,-44.791 U3.1
  Top Layer w0.305: R5.1@49.617,-44.791 R5.1
OL_VCC2: C16.1 C17.1 R23.1 R24.1 U6.6 | length 8.7
  Top Layer w0.254: 58.229,-41.593 59.118,-41.593 ; 59.118,-42.1 59.118,-41.593 ; U6.6 59.421,-41.29 59.118,-41.593
  Top Layer w0.762: v1(57.158,-39.632) R24.1 57.158,-41.156 57.594,-41.593 58.229,-41.593 ; R23.1 C16.1 C17.1 59.118,-42.1
P_RX_UART1: J11.2 J12.5 J14.3 | length 25.7
  Top Layer w0.254: J11.2 30.861,-33.147 30.861,-46.736 32.421,-48.296 J12.5 32.421,-55.535 J14.3
P_TX_UART1: J11.1 J12.6 J14.4 | length 25.6
  Top Layer w0.254: J11.1 29.972,-34.798 29.972,-47.371 30.921,-48.32 J12.6 J14.4@30.921,-56.201
PM2.5_CONTROL: J10.15 J13.1 Q1.2 | length 28.9
  Top Layer w0.762: Q1.2 J13.1@43.942,-39.624
  Bottom Layer w0.254: J10.15 23.622,-39.37 J13.1
PM2.5_VCC: C14.1 C15.1 J12.1 J14.1 Q12.3 | length 13.9
  Top Layer w0.762: C15.1 38.421,-45.928 J12.1 J14.1@38.421,-56.321 ; C15.1@38.202,-45.477 Q12.3
T_SCL: J1.3 J10.3 R3.1 U1.4 U2.12 U3.5 U6.3 | length 114.5
  Top Layer w0.203: J10.3 26.162,-52.832 27.813,-51.181 v3(27.813,-38.1) ; U3.5 v1(49.617,-35.6) ; U6.3 62.753,-39.99 63.119,-39.624 v1(63.119,-35.56) ; v1(64.77,-41.275) v1(64.77,-35.56) ; v1(65.151,-43.18) 65.659,-43.18 66.179,-42.66 U1.4 ; U2.12 77.212,-42.414 77.978,-43.18 81.788,-43.18 82.288,-42.68 R3.1 J1.3@85.852,-42.037
  Bottom Layer w0.203: v3(27.813,-38.1) 29.693,-36.22 38.522,-36.22 39.183,-35.56 v1(63.119,-35.56) v1(64.77,-35.56) 81.153,-35.56 83.058,-37.465 83.058,-40.894 84.074,-41.91 J1.3 ; v1(64.77,-41.275) 64.77,-42.799 v1(65.151,-43.18)
T_SDA: J1.4 J10.4 R4.1 U1.1 U2.2 U3.3 U6.4 | length 121.2
  Top Layer w0.203: J10.4 20.509,-51.627 26.325,-51.627 26.797,-51.156 v3(26.797,-38.1) ; v1(50.419,-34.798) 50.419,-38.481 v1(51.181,-39.243) ; U3.3 50.617,-42.362 50.927,-42.672 v1(51.689,-42.672) ; U6.4 59.167,-39.99 58.801,-39.624 58.801,-39.116 59.182,-38.735 62.23,-38.735 62.484,-38.481 v1(62.484,-34.798) ; v1(65.405,-34.798) 65.405,-40.386 66.179,-41.16 U1.1 ; U2.2 80.133,-41.525 80.641,-41.017 81.792,-41.017 82.288,-40.521 R4.1 J1.4
  Bottom Layer w0.203: v3(26.797,-38.1) 29.083,-35.814 38.354,-35.814 39.37,-34.798 v1(50.419,-34.798) v1(62.484,-34.798) v1(65.405,-34.798) 81.407,-34.798 83.566,-36.957 83.566,-38.735 84.201,-39.37 J1.4 ; v1(51.181,-39.243) 51.181,-42.164 v1(51.689,-42.672)
TP_I2C_SCK: J6.3 J7.3 R6.1 | length 92.5
  Top Layer w0.203: J7.3 v3@21.717,-30.345 ; v3(22.098,-27.432) 24.638,-24.892 34.163,-24.892 v3(34.671,-25.4) 34.973,-25.702 43.767,-25.702 v1@46.863,-22.606 ; R6.1@33.909,-22.987 v3(34.671,-23.749) ; v1(74.676,-2.286) 78.105,-2.286 79.069,-3.25 J6.3
  Bottom Layer w0.203: v3(21.717,-30.353) 22.098,-29.972 v3(22.098,-27.432) ; v3(34.671,-25.4) v3(34.671,-23.749) ; v1(46.863,-22.479) 46.863,-7.941 52.746,-2.057 73.431,-2.057 73.66,-2.286 v1(74.676,-2.286)
TP_I2C_SDA: J6.4 J7.4 R7.1 | length 92.4
  Top Layer w0.203: J7.4 v3(19.812,-31.345) ; v3(21.082,-27.432) 24.054,-24.46 34.747,-24.46 35.489,-25.202 43.251,-25.202 46.228,-22.225 v1(46.228,-21.844) ; 35.687,-25.202 R7.1 ; v1(73.914,-1.651) 78.105,-1.651 79.204,-2.75 J6.4
  Bottom Layer w0.203: v3(19.812,-31.345) 21.082,-30.075 v3(21.082,-27.432) ; v1(46.228,-21.844) 46.228,-8.001 52.578,-1.651 v1(73.914,-1.651)
TP_INT: J7.1 J11.3 | length 14.1
  Top Layer w0.203: J7.1 26.059,-28.345 J11.3
TP_INT': J6.2 J11.5 R8.2 | length 76.3
  Top Layer w0.203: J11.5 28.702,-25.654 v3(31.242,-25.654) 33.909,-25.654 34.457,-26.202 44.283,-26.202 v1(47.371,-23.114) ; v3(31.242,-23.749) 32.012,-22.979 R8.2 ; v1(75.565,-3.048) 76.267,-3.75 J6.2
  Bottom Layer w0.203: v3(31.242,-25.654) v3(31.242,-23.749) ; v1(47.371,-23.114) 47.447,-23.038 47.447,-7.931 52.33,-3.048 v1(75.565,-3.048)
TP_RESET: J7.2 J11.4 | length 17.3
  Top Layer w0.203: J7.2 24.773,-29.345 26.354,-30.926 28.51,-30.926 J11.4
TP_RESET': J6.5 J11.6 | length 74.3
  Top Layer w0.254: v1(52.197,-0.762) 77.978,-0.762 79.466,-2.25 J6.5
  Bottom Layer w0.254: J11.6 31.75,-28.956 38.989,-28.956 41.783,-28.956 45.593,-25.146 45.593,-7.366 v1(52.197,-0.762)
TP_VCC: C5.2 C6.2 J6.1 R6.2 R7.2 R8.1 R9.1 | length 79.6
  Top Layer w0.254: 79.307,-4.25 J6.1
  Top Layer w0.508: v3@31.25,-21.979 R8.1 R7.2 ; R9.1 v3@32.131,-26.797 ; R9.1@32.377,-27.694 C6.2 36.112,-26.761 45.248,-26.761 v3(48.895,-23.114) ; v3(76.835,-4.445) 76.971,-4.309 79.307,-4.309
  Bottom Layer w0.508: v3(31.242,-21.971) 32.893,-21.971 33.274,-22.352 33.274,-25.4 v3(32.131,-26.543) ; v3(48.895,-23.114) 48.895,-7.62 52.197,-4.318 52.324,-4.445 v3(76.835,-4.445)
VCC: J5.4 J10.1 R18.1 U4.1 | length 148
  Top Layer w0.254: 10.311,-3.532 J5.4 ; U4.1 84.221,-19.07 v3(84.836,-19.685)
  Top Layer w0.762: 10.311,-3.532 8.152,-3.532 6.731,-4.953 6.731,-28.448 10.593,-32.31 22.86,-32.31 24.587,-34.037 ; v3(24.638,-50.546) 25.781,-49.403 25.781,-38.608 24.638,-37.465 v3(24.638,-36.957) 24.638,-34.088 ; v3(64.77,-28.829) 83.312,-28.829 v3(84.836,-27.305)
  Bottom Layer w0.762: J10.1 23.495,-55.372 24.638,-54.229 v3(24.638,-50.546) ; v3(24.638,-36.957) 26.67,-36.957 28.575,-35.052 36.068,-35.052 39.751,-31.369 R18.1 64.262,-29.337 v3(64.77,-28.829) ; v3(84.836,-27.305) v3(84.836,-19.685)
VCC-5V: J5.2 R19.1 R22.1 | length 116.1
  Top Layer w0.305: J5.2 13.835,-2.532 v3(14.478,-3.175)
  Top Layer w1.27: v3(34.29,-47.625) 32.258,-45.593 R19.1 32.258,-34.417 v3@38.735,-27.94 ; v3(42.672,-49.022) v3(60.071,-49.022) ; v3(63.119,-52.07) 79.248,-52.07 R22.1
  Bottom Layer w1.27: v3(14.478,-3.175) 27.94,-3.175 38.608,-13.843 v3@38.608,-27.61 ; v3(34.29,-47.625) 41.275,-47.625 v3@42.608,-48.959 ; v3(60.071,-49.022) v3(63.119,-52.07)
  other v3: 38.735,-27.813
pads on no net: J5.35 J5.37 J5.38 J5.39 J5.40 J10.9 J10.16 J10.18 J10.19 J10.20 J12.3 J12.4 J12.7 J12.8 U2.4 U2.10 U6.2 U6.7

## Polygon pours and split planes (outlines as drawn)
GND on Bottom Layer "TOP-No Net 1" (solid, remove dead copper, pour order 12): -1.651,43.18 -1.143,43.688 88.519,43.688 88.519,-60.579 88.011,-61.087 86.487,-62.611 -2.667,-62.611
GND on Top Layer "TOP-No Net 1" (solid, remove dead copper, pour order 14): -0.381,43.18 88.265,43.18 89.027,42.418 90.424,41.021 90.424,-60.071 88.138,-60.071 87.884,-60.325 86.487,-61.722 -0.762,-61.722

## Keep-outs
Keep-Out Layer:
  lines w0.127: 0,40.767 cw(c2,40.767) 2,42.767 86,42.767 cw(c86,40.767) 88,40.767 ; 0,41 0,-58 ccw(c2,-58) 2,-60 86,-60 ccw(c86,-58) 88,-58 88,41

## Silkscreen, mask and mechanical layers (free items; w line width, h text height)
Top Overlay:
  lines w0.254: 0,0 88,0
  text "ClearGrass-PinBoard-20160618" at 39.37,34.544 h1.52
  text "TFT Display  support area" at 14.097,20.066 h5.08
  text "OL Sensor" at 52.197,-34.925 h1.52
  text "ROHM" at 48.641,-37.465 h1.52
  text "OnSemi" at 57.785,-37.465 h1.52
  text "Humiture" at 66.167,-37.592 h1.52
  text "G-Sensor" at 74.93,-37.592 h1.52
Bottom Overlay:
  text "It is better to waste one's youth than to do noting with it at all." at 45.72,40.513 h1.52
  text "------George Courteline" at 23.622,38.608 h1.52